# Altium PCB openmv-ae3.PcbDoc (part 4 of 7) (continued)
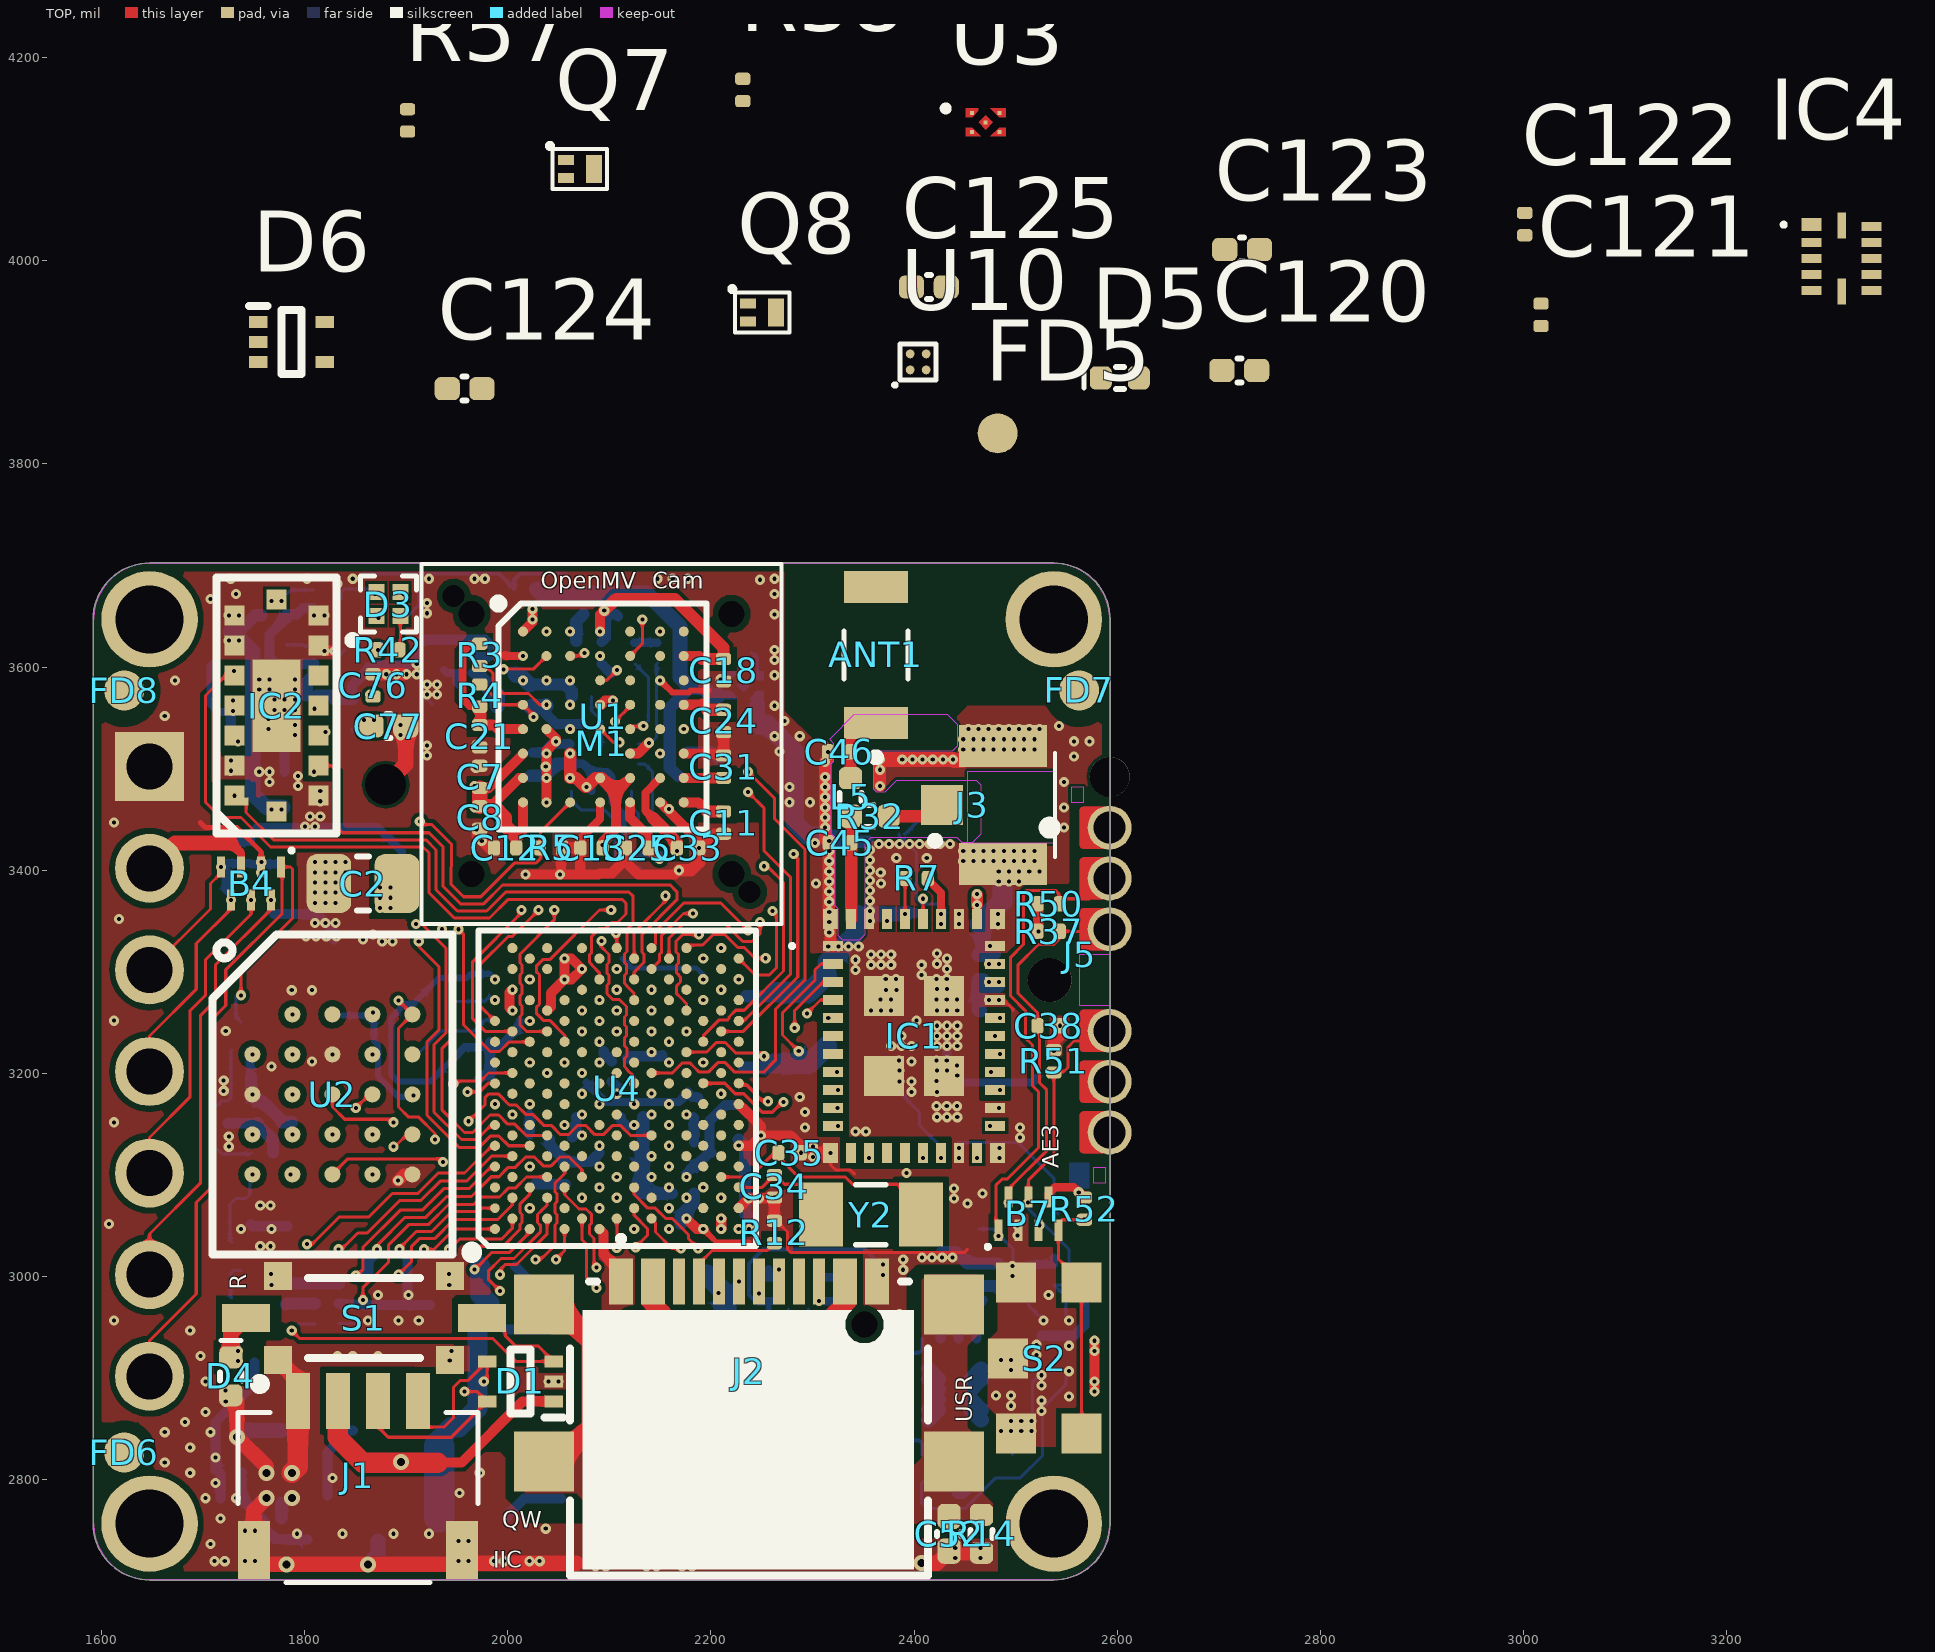
[diagram p0: TOP view]
## Nets (pads, with @x,y where several pads share a name; then routed paths per layer and width w, separated by ;. In a path a pad name is that pad's centre, name@x,y a point inside that pad or via, vN(x,y) a via of type N, cw(c..) or ccw(c..) an arc to the next point about the centre after c; other vN are vias at no path point) (continued)
USB_R: R38.1 U4.K14 | length 28.1
  ART2 w8: v1(2141.42,3180.3) v3(2141.42,3193.89)
  ART7 w10: v2(2129.44,3199.91) 2135.4,3199.91 v3(2141.42,3193.89)
USB_VBUS: C53.2 FL1.1 J2.A4 J2.A9 L7.1 | length 369.8
  TOP w18: J2.A4@2142.95,2995.37 2142.95,2973.08 2151.45,2964.58 2151.45,2946.91 ; 2322.44,2946.91 2322.44,2963.91 2331.93,2973.4 J2.A9@2331.93,2995.37
  ART2 w3: v1(2132.44,2880.91) 2129.04,2870.71 v3(2130.44,2867.91) v3(2146.44,2867.91) ; v3(2162.44,2867.91) v1(2162.44,2880.91)
  ART4 w3: v3(2146.44,2867.91) v3(2162.44,2867.91)
  ART7 w10: v3(2162.44,2867.91) 2162.44,2870.91 2207.54,2916.01 2207.54,2941.01 2238.44,2971.91 2238.44,2993.82 2244.53,2999.91 v2(2249.53,2999.91)
  BOTTOM w3: v2@2247.53,2999.91 2246.53,2998.91 2246.53,2997.07 2253.75,2997.07 FL1.1@2256.75,3000.07
  BOTTOM w8: v2@2247.53,2999.91 v2(2249.53,2999.91) ; v2@2248.53,2999.07 FL1.1@2256.75,3007.29 FL1.1@2256.75,3000.07
  other v1: 2142.44,2880.91 2152.44,2880.91 2137.44,2889.91 2147.44,2889.91 2157.44,2889.91
  other v2: 2117.44,2864.91 2117.44,2874.91 2124.44,2881.91 2134.44,2881.91 2144.44,2881.91 2154.44,2881.91
USR_SW: B7.4 Q6.2 R52.2 R53.2 S2.1 S2.5 | length 1680.2
  TOP w3: S2.1@2564.92,2845.41 S2.5@2564.92,2994.41 2541.97,3017.36 2541.97,3052.42 2545.55,3056 v1(2567,3056)
  ART2 w3: v3(2553.44,3066.91) 2556.09,3066.91 v1(2567,3056)
  ART4 w3: v3(1722.44,3076.91) 1737.44,3061.91 1737.44,2981.91 1872.82,2846.53 2043.22,2846.53 2103.08,2786.67 2147.68,2786.67 2169.82,2764.53 2411.08,2764.53 2430.46,2783.91 2459.24,2783.91 2532.44,2857.11 2532.44,3045.91 v3(2553.44,3066.91)
  ART7 w3: v3(1722.44,3076.91) 1722.44,3083.99 v2(1728.58,3090.13) ; v2(2541.44,3061.91) 2548.44,3061.91 v3(2553.44,3066.91)
  BOTTOM w3: R53.2@2442.44,3131.91 2502.44,3131.91 2537.44,3096.91 2537.44,3065.91 v2(2541.44,3061.91)
USR_SW_INT: C119.1 R53.1 U4.M18 | length 300.7
  TOP w3: U4.M18@2175.83,3220.93 2195.61,3220.93 2205.11,3230.43 2214.02,3230.43 2224.2,3220.25 2249.1,3220.25 v1(2252.44,3216.91)
  ART2 w3: v1(2252.44,3216.91) 2267.44,3216.91 2282.98,3201.37 v3(2298.06,3201.37)
  ART7 w3: v3(2298.06,3201.37) 2322.98,3201.37 2336.25,3188.1 2382.25,3188.1 v2(2388.44,3181.91)
  BOTTOM w3: v2(2388.44,3181.91) 2388.44,3178.78 C119.1@2405.31,3161.91 2405.31,3149.04 R53.1@2422.44,3131.91
VBUS: B2.1 B2.6 C64.1 L7.2 U4.H14 | length 404.7
  ART2 w10: v3(2106.32,3201.91) 2106.32,3200.91 2107.32,3199.91 v1(2107.32,3179.98)
  ART4 w10: v3(2106.32,3201.91) 2106.32,3173.03 2122.44,3156.91 2122.44,3142.37 2171.56,3093.25 2171.56,3058.49 2163.28,3050.21 2163.28,3036.07 2227.44,2971.91 2227.44,2911.91 v3(2222.44,2906.91)
  ART7 w10: v2(2202.44,2886.91) v2(2209.94,2894.41) v3(2222.44,2906.91)
VCC_1.2V_CAM: C13.2 C14.2 C15.2 C16.2 C17.2 C18.2 C19.2 C71.1 C73.2 L10.2 R24.2 U1.A4 U1.B7 U1.C2 U1.F3 U1.G3 U1.G4 U1.G5 | length 882
  TOP w10: v1(2090.97,3634.92) 2090.97,3651.44 v1(2094.97,3655.44) ; C13.2@2093.44,3421.91 v1(2093.44,3424.91) 2093.44,3427.91 2106.44,3440.91 2106.44,3476.76 U1.G5@2120.5,3490.82 ; U1.B7@2173.25,3610.9 2188.45,3610.9 2191.44,3607.91
  TOP w12: v1(2061.44,3514.84) v1(2061.44,3490.82) 2067.53,3490.82 2076.44,3481.91 v1(2077.44,3481.91) 2086.35,3490.82 U1.G4@2090.97,3490.82 2092.38,3490.82 2106.44,3476.76 ; v1(2094.97,3655.44) 2106.44,3666.91 2164.44,3666.91 2212.44,3618.91 C18.2@2212.44,3607.91 2191.44,3607.91
  ART2 w8: v3(2054.45,3454.92) 2054.45,3455.92 2077.44,3478.91 v1(2077.44,3481.91)
  ART2 w10: v1(2038.21,3586.88) 2038.21,3593.36 2050.68,3605.83 v3(2050.68,3610.15) ; v1(2090.97,3634.92) 2090.97,3641.38 v3(2085.44,3646.91) 2093.97,3655.44 v1(2094.97,3655.44) ; v1(2093.44,3424.91) 2093.44,3433.91 2096.44,3436.91 v3(2096.44,3437.91)
  ART2 w14: v1(2061.44,3490.82) v1(2061.44,3514.84)
  ART2 w15: v3(2054.45,3438.92) v3(2054.45,3454.92)
  ART4 w15: v3(2050.68,3610.15) 2085.44,3644.91 v3(2085.44,3646.91)
  ART7 w10: v3(2050.68,3610.15) 2066.44,3625.91 v2(2067.44,3625.91) 2067.44,3628.91 v3(2085.44,3646.91) 2083.44,3648.91 v2(2072.44,3648.91)
  BOTTOM w8: R24.2@1722.44,3426.91 1723.44,3427.91 C73.2@1747.44,3427.91 1747.44,3436.91 1753.1,3442.57 1871.78,3442.57 1895.9,3418.45 C71.1@1895.9,3401.91
  BOTTOM w12: v2(2067.44,3625.91) 2067.44,3644.91 C19.2@2074.44,3651.91
  other v2: 2041.44,3428.91 2068.44,3431.91 2083.44,3431.91 2041.44,3438.91 2068.44,3441.91 2083.44,3441.91
VCC_1.8V: B5.3 B5.6 B6.3 B6.6 B7.5 C1.2 C2.2 C3.1 C9.2 C39.1 C40.1 C44.1 C49.2 C50.1 C51.1 C62.1 C66.1 C67.2 C76.1 C77.2 C78.2 C84.2 C104.2 C105.1 C106.2 C107.2 C108.2 C121.2 C124.2 D4.1 IC1.36 IC3.5 IC4.1 IC4.12 J5.1 J6.1 L9.2 Q1.1 Q2.1 Q3.1 Q4.1 R1.2 R2.2 R6.2 R7.1 R8.2 R9.2 R10.2 R11.2 R13.1 R22.1 R33.2 R34.2 R35.2 R36.2 R37.2 R40.2 R44.2 R45.2 R46.2 R49.2 R50.2 R52.1 R57.2 R58.2 S1.1 U2.B4 U2.D1 U2.E4 U4.C13 U4.F4 U4.P24 U7.2 U7.3 U7.5 U7.8 U9.A2 U10.A2 | length 3224.8
  TOP w8: R7.1@2412.44,3391.91 2426.51,3377.84 v1(2426.51,3357.07) IC1.36@2426.51,3352.07 v1(2426.51,3347.07) ; B7.5@2532.12,3078.25 2532.12,3081.59 2538.53,3088 2557.35,3088 R52.1@2567.44,3077.91
  TOP w10: v1(2522.44,3339.91) R50.2@2522.44,3366.91
  TOP w15: D4.1@1727.44,2920.61 1727.44,2944.55 S1.1@1742.3,2959.41
  ART2 w10: v1(1734.44,2916.91) 1742.44,2916.91 v3(1747.44,2921.91) 1742.44,2926.91 v1(1734.44,2926.91) ; v1(1858.44,3547.91) 1858.44,3554.91 v3(1863.45,3559.92) ; v1(1864.44,3572.91) 1863.45,3571.92 v3(1863.45,3559.92) ; v3(1866.81,3082.54) v1(1866.81,3100.67) ; v1(1866.81,3218.78) 1879.57,3218.78 v3(1880.57,3217.78) ; v1(1868.44,3547.91) 1868.44,3554.93 v3(1863.45,3559.92) ; v1(2021.69,3169.74) 2022.61,3169.74 v3(2031.44,3160.91) ; v3(2061.44,3071.91) 2067.15,3077.62 v1(2073.07,3077.62) ; v1(2210.08,3282.34) 2218.44,3273.98 v3(2218.44,3270.91) ; v1(2426.51,3347.07) 2417.66,3347.07 v3(2413.51,3351.22) 2416.51,3351.22 2422.36,3357.07 v1(2426.51,3357.07) ; v1(2522.44,3339.91) 2534.44,3351.91 v3(2537.44,3351.91) ; v3(2552.44,3091.91) 2562,3082.35 v1@2562,3083.27
  ART2 w14: v1(1748.7,3140.04) 1748.7,3147.17 1762.44,3160.91 v3(1762.44,3161.91)
  ART2 w15: v3(1980.44,3605.93) 1981.53,3606.81 1981.67,3608.1 1988.91,3614.28 v3(1996.94,3615.41)
  ART4 w12: v3(2413.51,3351.22) 2453.13,3351.22 2474.56,3329.79 2474.56,3329.03 ; v3(2537.44,3351.91) 2532.44,3346.91 2492.44,3346.91 2474.56,3329.03 ; v3(2552.44,3091.91) 2547.44,3096.91 2547.44,3191.91 v3(2537.44,3201.91) 2517.44,3221.91 2517.44,3256.91 2497.44,3276.91 2497.44,3287.63 2474.56,3310.51 2474.56,3329.03
  ART4 w15: v3(2537.44,3351.91) 2557.44,3371.91 2557.44,3421.91 2577.44,3441.91 J5.1@2592.44,3441.91
  ART7 w5: v2(2062.44,3571.91) 2068.82,3565.53 2106.4,3565.53 2114.82,3573.95 2114.82,3585.87 2113.94,3586.75 2113.94,3613.41 v2(2124.44,3623.91)
  ART7 w10: v3(1747.44,2921.91) 1755.44,2921.91 ; v2(1760.44,2916.91) 1755.44,2921.91 ; v2(1760.44,2926.91) 1755.44,2921.91 ; v2(1868.44,3231.91) 1868.44,3229.91 v3(1880.57,3217.78) ; v3(1996.94,3615.41) v2(2007.44,3604.91) v2(2007.44,3592.91) ; v3(2031.44,3160.91) 2035.44,3156.91 v2(2044.44,3156.91) ; v2(2522.44,3196.91) 2532.44,3196.91 v3(2537.44,3201.91) ; v3(2552.44,3091.91) 2570.32,3074.03 2570.32,3051.79 v2(2537.44,3018.91) v2(2565.44,2990.91)
  ART7 w12: v2(1752.44,3172.91) 1752.44,3171.91 v3(1762.44,3161.91) ; v2(1801.44,3571.91) v2(1812.44,3571.91) 1815.44,3574.91 1848.46,3574.91 v3(1863.45,3559.92) ; v2(2007.44,3592.91) 2007.44,3505.91 v2(2020.44,3492.91) ; v2(2057.44,3090.91) 2057.44,3075.91 v3(2061.44,3071.91) ; v2(2401.44,3357.91) v2@2402.44,3356.91
  ART7 w15: v3(2218.44,3270.91) 2223.44,3275.91 v2(2234.44,3275.91) v2(2245.44,3275.91) ; v2(2390.44,3356.91) 2402.44,3356.91 2408.13,3351.22 v3(2413.51,3351.22)
  BOTTOM w6: R10.2@1837.44,3256.91 1867.44,3256.91 1868.44,3255.91 v2(1868.44,3231.91) 1872.44,3227.91 1872.44,3196.91 1892.44,3176.91 R8.2@1902.44,3176.91 ; U7.2@2102.28,3477.91 2102.28,3467.06 2113.94,3455.4 2113.94,3422.91 2120.94,3415.91 R40.2@2128.44,3415.91 R33.2@2153.44,3415.91
  BOTTOM w8: Q4.1@1746.3,3223.13 1746.3,3198.05 R36.2@1747.44,3196.91 ; C9.2@1997.56,3611.78 C9.2@2000.44,3611.78 ; U7.5@2055.94,3504.72 2074.62,3504.73 2082.6,3496.75 ; U7.3@2082.6,3477.91 2082.6,3496.75 ; U7.2@2102.28,3477.91 2102.28,3492.07 2097.6,3496.75 2082.6,3496.75 ; v2(2124.44,3623.91) R2.2@2147.44,3623.91 ; R6.2@2432.44,3231.91 2432.44,3201.91 2443.44,3190.91 2516.44,3190.91 v2(2522.44,3196.91) ; R34.2@2512.44,3011.91 2537.44,3011.91 v2(2537.44,3018.91)
  BOTTOM w10: R22.1@1717.44,2781.91 1717.44,2805.91 C67.2@1716.44,2806.91 1712.44,2810.91 1712.44,2856.91 1750.9,2895.37 C66.1@1750.9,2915.37 ; Q2.1@1808.65,3603.04 1783.57,3603.04 1782.44,3601.91 1773.44,3601.91 1765.44,3609.91 1765.44,3631.91 1782.44,3648.91 1782.44,3651.91 1792.44,3651.91 1798.58,3658.05 Q3.1@1808.66,3658.05 ; IC3.5@1847.01,3568.56 1847.01,3581.48 1867.44,3601.91 1902.44,3601.91 1911.3,3610.77 Q1.1@1911.3,3623.13 1915.08,3626.91 1967.44,3626.91 ; 1982.44,3611.91 1980.31,3609.78 U9.A2@1965.31,3609.78 1965.31,3624.78 1967.44,3626.91 ; 1982.44,3621.91 1977.44,3626.91 1967.44,3626.91 ; R49.2@2027.44,3091.91 2028.44,3090.91 v2(2057.44,3090.91) ; C44.1@2392.44,3357.91 v2(2401.44,3357.91) ; B5.3@2525.63,2941.75 2557.28,2941.75 2567.44,2951.91 C62.1@2567.44,2990.91
  BOTTOM w12: R36.2@1747.44,3196.91 1747.44,3177.91 v2(1752.44,3172.91) 1758.44,3172.91 1777.44,3153.91 1777.44,3151.91 R11.2@1787.44,3151.91 ; C84.2@1781.86,2994.49 1783.02,2993.33 1810.05,2993.33 B6.6@1833.67,2993.33 ; v2(1801.44,3571.91) 1802.44,3572.91 1802.44,3585.41 1808.44,3591.41 1808.44,3591.91 1808.66,3592.13 Q2.1@1808.66,3603.05 ; v2(1812.44,3571.91) 1825.85,3571.91 1829.2,3568.56 IC3.5@1847.01,3568.56 ; C50.1@2022.44,3492.91 2036.44,3492.91 2048.26,3504.73 U7.5@2055.94,3504.72 ; C51.1@2022.44,3582.91 2056.43,3582.91 2062.91,3576.43 U7.8@2062.91,3570.91 ; v2(2234.44,3275.91) v2(2245.44,3275.91) 2258.57,3275.91 C105.1@2262.44,3279.78
  BOTTOM w15: v2(2007.44,3592.91) 2008.44,3591.91 2012.44,3591.91 2021.44,3582.91 C51.1@2022.44,3582.91 ; C49.2@2344.57,3356.91 v2(2390.44,3356.91) 2391.44,3356.91 C44.1@2392.44,3357.91
  BOTTOM w18: C104.2@2313.98,3296.91 2313.98,3309.45 2341.44,3336.91 2341.44,3353.78 C49.2@2344.57,3356.91
  BOTTOM w20: C105.1@2262.44,3279.78 2296.85,3279.78 C104.2@2313.98,3296.91
  other v1: 2562,3083 1874.44,3362.91 1884.44,3362.91 1874.44,3372.91 1884.44,3372.91 1874.44,3382.91 1884.44,3382.91
  other v2: 1781.07,3076.6 1795.07,3078.6 1780.05,3090.71 1795.05,3090.71 1780.32,3103.34 1997.44,3592.91 1993.44,3602.91
  other v3: 1832.45,3081.92 1832.45,3111.92 1857.45,3361.92 1857.45,3377.92
VCC_1.8V_CAM: C10.2 C21.2 C23.2 C24.2 C25.2 Q7.1 Q8.1 R3.2 R4.2 U1.D4 U1.D7 U1.E1 U1.H5 U9.A1 | length 1502.2
  TOP w8: R4.2@1972.44,3561.91 1962.44,3561.91 1955.44,3568.91 1955.44,3614.91 1962.44,3621.91 R3.2@1972.44,3621.91
  TOP w10: C21.2@1972.44,3542.91 1973.44,3543.91 1973.44,3560.91 R4.2@1972.44,3561.91 ; v1(1973.44,3542.91) 1986.44,3542.91 1990.5,3538.85 U1.E1@2014.99,3538.85 ; U1.D4@2090.97,3562.87 2091.97,3562.87 2095.97,3566.87 v1(2103.44,3566.87) ; U1.H5@2120.5,3466.8 2120.5,3451.35 2138.44,3433.41 C25.2@2138.44,3421.91 v1(2149.44,3410.91) ; U1.D7@2173.25,3562.87 2191.48,3562.87
  TOP w12: 2191.48,3562.87 2196.44,3557.91 v1(2212.44,3557.91)
  ART2 w10: v1(1729.44,3566.91) v1(1729.44,3556.91) 1738.45,3556.91 v3(1742.45,3560.92) ; v1(1973.44,3542.91) 1976.44,3545.91 1976.44,3555.91 v3(1975.44,3556.91) ; v3(2100.44,3579.91) 2103.44,3576.91 v1(2103.44,3566.87) ; v1(2149.44,3410.91) 2149.44,3430.78 2185.56,3466.9 2185.56,3530.9 2201.44,3546.78 v3(2201.44,3549.91)
  ART2 w12: v3(2201.44,3549.91) 2204.44,3549.91 v1(2212.44,3557.91)
  ART4 w15: v3(1742.45,3560.92) 1801.04,3560.92 1819.73,3579.61 1869.76,3579.61 1877.44,3587.29 1902.07,3587.29 1932.45,3556.91 v3(1975.44,3556.91) 1975.44,3562.33 2062.44,3649.33 2062.44,3653.33 2077.44,3668.33 2111.18,3668.33 2118.77,3660.74 2143.61,3660.74 2159.94,3644.41 2159.94,3639.41 ; v3(2100.44,3579.91) 2159.94,3639.41 ; v3(2201.44,3549.91) 2201.44,3562.91 2189.44,3574.91 2189.44,3614.91 2164.94,3639.41 2159.94,3639.41
  ART7 w10: v2(1727.44,3555.91) 1737.44,3555.91 v3(1742.45,3560.92) 1750.46,3552.91 v2(1765.44,3552.91) ; v2(1988.44,3552.91) 1979.44,3552.91 v3(1975.44,3556.91) 1981.44,3562.91 v2(1988.44,3562.91) ; v3(2100.44,3579.91) 2101.44,3580.91 v2(2101.44,3593.91)
  BOTTOM w8: 1709.44,3602.91 1707.44,3600.91 1707.44,3563.91 1715.44,3555.91 v2(1727.44,3555.91) ; v2(1765.44,3552.91) 1774.44,3552.91 1780.44,3546.91
  BOTTOM w10: 1727.44,3531.91 v2(1727.44,3555.91) ; 1780.44,3496.91 1780.44,3546.91 ; U9.A1@1965.31,3594.04 1968.31,3594.04 1972.94,3589.41 ; C23.2@2092.44,3602.91 v2(2101.44,3593.91)
  BOTTOM w15: 1972.94,3589.41 1989.57,3572.78 C10.2@1989.57,3561.91
VCC_1.8V_TOF: C79.1 C125.2 IC2.A4 R26.2 R27.2 R28.2 R29.2 R30.2 U10.A1
VCC_2.8V_CAM: C26.2 C27.2 C28.2 C72.2 U1.A1 U1.E3 U1.F6 U8.1 | length 1278.8
  TOP w10: U1.A1@2014.99,3634.92 2024.44,3644.37 v1(2024.44,3646.91) v1(2024.44,3656.91)
  ART2 w10: v3(1758.94,3470.41) 1758.94,3468.41 v1(1767.44,3459.91) v1(1777.44,3459.91) ; v3(1767.45,3651.92) 1768.6,3651.92 1777.44,3660.76 v1(1777.44,3664.91) v1(1767.44,3664.91) v3(1767.45,3651.92) ; v1(2024.44,3646.91) 2026.44,3646.91 2032.44,3652.91 v3(2037.44,3652.91) 2033.44,3656.91 v1(2024.44,3656.91) ; v3(2051.91,3548.38) v1(2061.44,3538.85) ; v1(2150.03,3514.84) v3(2159.2,3505.67)
  ART4 w15: v3(1767.45,3651.92) 1822.44,3651.92 1845.92,3675.4 1904.25,3675.4 1953.58,3626.07 1976.59,3626.07 2003.43,3652.91 v3(2037.44,3652.91)
  ART7 w10: v3(2037.44,3652.91) 2042.44,3647.91 2042.44,3631.91 2027.44,3616.91 2027.44,3579.91 2022.44,3574.91 v2(2022.44,3540.91) 2023.44,3540.91 2026.33,3543.8 2047.33,3543.8 v3(2051.91,3548.38) ; v3(2159.2,3505.67) 2159.2,3503.15 v2(2167.44,3494.91)
  ART7 w15: v2(1744.94,3644.41) 1752.45,3651.92 v3(1767.45,3651.92) ; v3(1758.94,3470.41) 1758.94,3468.41 1765.44,3461.91 v2(1767.44,3461.91) v2(1778.44,3461.91)
  BOTTOM w8: 2207.44,3571.92 2207.98,3572.46 U8.1@2219.05,3572.46
  BOTTOM w12: 1729.44,3634.78 1735.31,3634.78 v2(1744.94,3644.41) 1751.44,3650.91 v2(1754.44,3650.91) v2@1757.44,3650.91 ; C27.2@2167.44,3492.91 2159.44,3500.91 2159.44,3559.65 2179.57,3579.78
  BOTTOM w15: 1727.44,3634.78 1729.44,3634.78 1748.94,3615.28 1748.94,3475.41 1762.44,3461.91 v2(1767.44,3461.91) v2(1778.44,3461.91) ; C28.2@2028.44,3676.91 v2(2032.44,3672.91) v2(2042.44,3672.91) v2(2052.44,3672.91) 2136.44,3672.91 2169.44,3639.91 2169.44,3589.91 2179.57,3579.78 C72.2@2192.44,3579.78 2200.3,3571.92 2207.44,3571.92
VCC_2.8V_TOF: C80.1 C81.1 C82.2 C120.2 IC2.B1 IC2.B7 U3.1
VCC_3.3V: B1.6 B3.1 B3.6 B4.3 B6.7 C4.2 C41.1 C43.1 C48.2 C54.1 C55.2 C68.2 C70.2 C74.2 C75.2 C85.2 C88.2 C89.1 C90.2 C91.2 C92.1 C93.2 C94.2 C95.1 C96.2 C102.1 C103.2 C110.1 C111.2 C122.2 C123.2 D1.1 D2.3 D2.6 D3.4 IC1.30 IC4.11 J1.2 J4.2 J6.15 R54.2 U3.4 U4.K12 U4.L5 U4.P2 U4.P14 U4.P28 U5.9 U8.4 Y1.4 | length 2070.8
  TOP w8: 1727.44,3426.91 1737.6,3416.75 B4.3@1737.6,3403.25
  TOP w10: 1931.44,2816.91 1954.44,2816.91 2014.76,2877.23 D1.1@2045.12,2877.22 ; v1(2210.08,3046.91) v1(2210.08,3057.15)
  TOP w15: J4.2@1647.44,3401.91 1672.44,3426.91 1727.44,3426.91
  TOP w20: J1.2@1832.76,2877.71 1832.76,2841.59 1857.44,2816.91 1931.44,2816.91
  ART2 w10: J4.2@1647.44,3401.91 1692.44,3446.91 1692.44,3593.78 1710.57,3611.91 1747.44,3611.91 1769.44,3633.91 1822.57,3633.91 1852.45,3663.79 1859.32,3663.79 1867.44,3671.91 v1(1869.44,3671.91) ; v3(2141.57,3146.91) v1(2141.57,3159.51) ; v3(2147.44,3080.91) 2151.76,3080.91 v1(2158.7,3087.85) ; v3(2210.08,3033.91) v1(2210.08,3046.91) v1(2210.08,3057.15) ; v1(2210.08,3179.98) 2218.8,3171.26 2218.8,3169.26 v3(2219.8,3168.26) ; v1(2210.08,3323.32) 2219.03,3323.32 2222.03,3320.32 v3(2223.03,3320.32) ; v3(2460.44,3294.91) 2461.44,3293.91 2469.81,3293.91 v1(2473.66,3290.06) v1(2483.66,3290.06)
  ART2 w15: v3(2210.08,3017.91) v3(2210.08,3033.91)
  ART4 w15: J4.2@1647.44,3401.91 1647.44,3381.91 1712.44,3316.91 1728.44,3316.91 v3(1757.44,3287.91)
  ART7 w6: v2(1947.66,2954.4) 1969.01,2954.4 v2(1998.97,2924.43)
  ART7 w10: v2(1752.44,3309.91) v2(1752.44,3299.91) 1752.44,3292.91 v3(1757.44,3287.91) 1762.44,3292.91 v2(1762.44,3299.91) v2(1762.44,3309.91) ; v2(2133.44,3156.91) 2141.57,3148.78 v3(2141.57,3146.91) 2141.57,3138.04 v2(2137.44,3133.91) ; v2(2200.44,3317.91) v2(2210.44,3317.91) 2220.62,3317.91 v3(2223.03,3320.32)
  ART7 w12: v2(2232.44,3205.91) v2(2242.44,3205.91) ; v3(2460.44,3294.91) 2463.44,3294.91 v2(2471.44,3286.91) v2(2482.44,3286.91)
  BOTTOM w8: 2232.44,2906.91 U5.9@2254.03,2906.91 ; 2245.83,3563.52 U8.4@2245.83,3572.46
  BOTTOM w10: B6.7@1833.67,2973.65 1835.64,2973.65 1836.55,2972.74 1841.29,2972.74 1841.56,2972.47 1855.94,2972.47 1856.16,2972.26 1860.83,2972.26 C85.2@1861.83,2971.26 1862.77,2972.2 1902.17,2972.2 ; C70.2@1901.27,3021.22 1901.27,2973.11 1902.17,2972.2 ; 1903.07,2971.31 1902.17,2972.2 ; D2.6@1923.29,2972.2 1902.17,2972.2
  BOTTOM w12: C110.1@2129.57,3126.91 2133.44,3130.78 v2(2133.44,3156.91) ; C95.1@2132.44,3084.04 2134.57,3081.91 v2(2161.44,3081.91) ; C55.2@2218.44,2941.91 2218.44,2920.91 2232.44,2906.91 ; v2(2232.44,3205.91) v2(2242.44,3205.91) 2258.57,3205.91 C92.1@2262.44,3209.78 ; C41.1@2322.44,3430.91 2327.44,3430.91 2330.38,3427.97 Y1.4@2354.72,3427.97
  BOTTOM w14: C48.2@2464.57,3261.91 2463.44,3263.04 C43.1@2463.44,3291.91 2467.44,3291.91 2471.44,3287.91 v2(2471.44,3286.91)
  BOTTOM w15: C110.1@2129.57,3126.91 2132.44,3124.04 2132.44,3093.91 v2(2134.44,3091.91) 2132.44,3089.91 C95.1@2132.44,3084.04 ; C74.2@2245.44,3544.04 2245.44,3547.04 2245.83,3547.43 2245.83,3563.52 ; v2(2471.44,3286.91) v2(2482.44,3286.91)
  BOTTOM w18: C74.2@2245.44,3544.04 2255.31,3544.04 2282.44,3516.91 2282.44,3446.92 2295.32,3434.04 2312.44,3434.04 2315.57,3430.91 C41.1@2322.44,3430.91
  BOTTOM w20: C88.2@2195.9,3001.91 2214.57,2983.24 C55.2@2214.57,2951.91 2218.44,2948.04 C55.2@2218.44,2941.91 ; C92.1@2262.44,3209.78 2296.85,3209.78 C91.2@2313.98,3226.91
  other v2: 1877.44,2766.91 1887.44,2766.91 1877.44,2776.91 1887.44,2776.91 2187.44,3016.91 2197.44,3016.91 2187.44,3026.91 2197.44,3026.91 2233.44,3032.91 2134.44,3081.91 2258.44,3209.91 2268.44,3209.91 2057.44,3326.91 2069.44,3326.91 2064.44,3335.91 2072.44,3342.91
  other v3: 1862.45,2776.92 1902.44,2776.91 2267.44,3196.91 2026.45,3340.98 2042.44,3340.98
  other v4: 2202.44,3046.91 2212.44,3046.91
  other v5: 1894.98,2817.4
VCC_3.3V_INT: B5.7 C56.1 C57.1 C58.1 C59.2 C63.1 C65.2 C69.2 C83.1 D2.1 L8.2 R20.2 U6.2 U6.3 U6.4 U6.9 | length 521.6
  ART7 w12: v2(2482.44,2990.91) v2@2485.44,2987.91
  BOTTOM w10: U6.2@2425.87,2939 2425.87,2976.33 2424.31,2977.89 v2(2424.31,2982.04) 2424.31,2986.65 C59.2@2427.44,2989.78 ; U6.3@2443.58,2939 2443.58,2973.05 2447.44,2976.91 ; C56.1@2455.87,2989.34 C56.1@2457.44,2990.91 ; 2461.3,2800.77 U6.9@2461.3,2824.82 ; U6.4@2461.3,2939 2461.3,2970.77 2467.44,2976.91 ; C58.1@2482.44,2986.91 v2(2482.44,2990.91)
  BOTTOM w12: C59.2@2427.44,2989.78 2428.57,2990.91 C56.1@2457.44,2990.91 v2(2482.44,2990.91) ; v2(2443.44,2786.91) 2447.44,2786.91 2461.3,2800.77
  BOTTOM w20: C63.1@1932.72,2832.91 1932.72,2840 1944.57,2851.85 1951.66,2851.85 1970.15,2870.34 1970.15,2961.75 1981.87,2973.47 1972.81,2982.52 C69.2@1972.81,3009.91
  BOTTOM w30: L8.2@1932.52,2762.96 1932.62,2763.06 1932.62,2832.81 C63.1@1932.72,2832.91
  other v2: 2552.44,2872.91 2549.25,2922.07 2434.31,2982.04 2424.31,2992.04 2434.31,2992.04
  other v3: 2437.44,2754.91 2453.44,2754.91
VDD_CORE: C86.1 C87.1 C97.2 C98.2 C99.2 C100.2 C101.2 C109.1 L1.2 U4.A13 U4.C21 U4.C25 U4.G3 U4.H24 U4.M6 U4.N17 | length 376.9
  ART2 w10: v3(1987.44,3156.91) v1(1987.44,3169.74) ; v1(2021.69,3251.63) 2027.16,3251.63 2032.44,3256.91 v3(2033.44,3256.91) ; v1(2021.69,3292.58) 2028.36,3285.91 v3(2032.44,3285.91) ; v3(2078.44,3060.91) 2083.73,3060.91 v1(2090.2,3067.38) ; v1(2107.32,3282.34) 2112.14,3282.34 v3(2118.96,3289.16) ; v1(2175.83,3098.09) 2180.83,3098.09 v3(2187.65,3104.91) ; v1(2192.46,3210.75) 2202.28,3210.75 v3(2206.44,3214.91)
  ART7 w10: v2(1985.44,3172.91) 1985.44,3158.91 v3(1987.44,3156.91) 1994.44,3163.91 v2(1994.44,3167.91) ; v2(2032.44,3243.91) 2033.44,3244.91 v3(2033.44,3256.91) 2035.44,3256.91 v2(2043.44,3248.91) ; v2(2032.44,3272.91) v3(2032.44,3285.91) 2036.44,3285.91 v2(2043.44,3278.91) ; v2(2106.44,3291.91) 2116.21,3291.91 v3(2118.96,3289.16) ; v3(2206.44,3214.91) v2(2206.44,3234.91) v2(2206.44,3248.91) ; v2(2175.44,3100.91) 2179.44,3104.91 v3(2187.65,3104.91) 2183.65,3100.91 v2(2175.44,3100.91)
  ART7 w12: v3(2078.44,3060.91) 2082.44,3064.91 v2(2082.44,3075.91)
  BOTTOM w10: v2(2175.44,3100.91) 2180.44,3105.91 C98.2@2180.44,3106.91 2183.44,3106.91 2198.44,3121.91 ; 2200.44,3121.91 2198.44,3121.91 ; C87.1@2227.44,3169.04 2214.56,3169.04 2198.44,3152.92 2198.44,3121.91
VDDAY: C5.2 C6.2 C7.2 C8.2 C11.2 C12.2 U1.F1 U1.G1 U1.H1 U1.H7 | length 745.3
  TOP w10: v1(1967.44,3461.91) 1968.44,3462.91 C8.2@1972.44,3462.91 ; v1(1967.44,3482.91) 1969.44,3480.91 C7.2@1972.44,3480.91 1981.44,3480.91 2014.99,3514.46 U1.F1@2014.99,3514.84 ; 1986.44,3462.91 1986.44,3465.91 2011.35,3490.82 U1.G1@2014.99,3490.82 ; C12.2@2008.44,3421.91 2008.44,3432.91 2014.99,3439.46 U1.H1@2014.99,3466.8 ; U1.H7@2173.25,3466.8 2187.55,3466.8 2192.44,3461.91
  TOP w12: 2192.44,3461.91 2196.44,3457.91 v1(2211.44,3457.91)
  TOP w14: C8.2@1972.44,3462.91 1986.44,3462.91 1997.44,3451.91 1997.44,3443.91 2008.44,3432.91
  TOP w15: C8.2@1972.44,3462.91 C7.2@1972.44,3480.91
  ART2 w10: v1(1967.44,3461.91) 1973.44,3467.91 v3@1973.44,3471.91 ; v1(1967.44,3482.91) 1973.44,3476.91 v3@1973.44,3471.91 ; v3(1975.44,3471.91) v3@1973.44,3471.91
  ART2 w12: v1(2211.44,3457.91) v3(2227.44,3457.91)
  ART4 w15: v3(1975.44,3471.91) 1975.44,3448.91 1997.44,3426.91 1997.44,3401.51 2023.78,3375.17 2113.28,3375.17 2154.06,3415.95 2154.06,3439.53 2172.44,3457.91 v3(2227.44,3457.91)
  ART7 w10: v2(1968.44,3458.91) 1968.44,3463.91 1975.44,3470.91 v3(1975.44,3471.91) 1976.44,3470.91 1976.44,3463.91 1978.44,3461.91 v2(1978.44,3458.91) ; v2(2220.44,3443.91) 2220.44,3450.91 v3(2227.44,3457.91) 2230.44,3454.91 v2(2230.44,3443.91)
VIN_LDO: C42.1 C47.2 IC1.31 L6.2 | length 172.3
  ART2 w10: v1(2473.66,3307.78) v1(2483.66,3307.78) 2492.44,3316.56 v3(2492.44,3317.91)
  ART7 w12: v2(2478.44,3317.91) v3(2492.44,3317.91)
  BOTTOM w10: C42.1@2464.44,3317.91 v2(2478.44,3317.91)
  BOTTOM w14: C47.2@2464.57,3346.91 2467.44,3344.04 v2(2467.44,3321.91) 2467.44,3320.91 2464.44,3317.91 C42.1@2463.44,3316.91 2477.44,3316.91 v2(2478.44,3317.91)
  BOTTOM w20: C47.2@2464.57,3346.91 2486.94,3369.28 L6.2@2486.94,3409.91
VNEG: C33.2 C36.2 U1.G6 | length 117.4
  TOP w8: 2142.44,3451.91 2135.44,3458.91 2135.44,3476.23 U1.G6@2150.03,3490.82
  TOP w12: 2142.44,3451.91 2166.44,3427.91 C33.2@2166.44,3421.91
  ART2 w12: v1(2166.44,3418.91) 2166.44,3422.91 2173.44,3429.91 v3(2173.44,3430.91)
  ART7 w10: v3(2173.44,3430.91) 2174.44,3431.91 2174.44,3433.91 v2(2182.44,3441.91)
VPOS: C31.2 C32.2 U1.G7 | length 78.2
  TOP w10: U1.G7@2173.25,3490.82 2212.35,3490.82 v1(2212.44,3490.91)
  ART2 w12: v3(2202.44,3481.91) 2211.44,3490.91 v1(2212.44,3490.91)
  ART7 w10: v3(2202.44,3481.91) 2205.44,3478.91 v2(2216.44,3478.91) v2(2226.44,3478.91)
VPOS2: C29.2 C30.2 U1.F5 | length 102.3
  TOP w10: U1.F5@2120.5,3514.84 2128.37,3514.84 v1(2138.94,3525.41)
  ART2 w10: v1(2138.94,3525.41) 2139.94,3525.41 2145.43,3530.9 v3(2157.44,3530.9)
  ART7 w12: v3(2157.44,3530.9) 2162.45,3530.9 v2(2177.44,3515.91)
  BOTTOM w12: v2(2177.44,3515.91) 2201.31,3515.91 C30.2@2207.44,3509.78
VREF_P: C112.2 U4.M4 | length 37.9
  ART2 w10: v1(2175.83,3077.62) 2182.54,3070.91 v3(2187.44,3070.91)
  ART7 w10: v3(2187.44,3070.91) 2202.44,3070.91 v2(2208.44,3076.91)
VREG_AON: R48.2 U4.L11 | length 27.3
  ART2 w10: v1(2158.7,3149.27) 2165.06,3142.91 v3(2169.44,3142.91)
  ART7 w10: v2(2162.44,3153.91) 2169.44,3146.91 v3(2169.44,3142.91)
VREG_AON_INT: C113.2 R48.1 | length 25.4
  BOTTOM w10: R48.1@2182.44,3156.91 2183.44,3155.91 C113.2@2183.44,3131.91
VREG_DIG_1V8: R47.1 U4.J11 | length 38.3
  ART2 w8: v3(2101.44,3154.91) 2118.81,3154.91 v1(2124.45,3149.27)
  ART7 w10: v2(2088.44,3154.91) v3(2101.44,3154.91)
VREG_DIG_1V8_INT: C115.2 R47.2 | length 21.7
  BOTTOM w10: C115.2@2063.44,3136.91 2067.44,3140.91 R47.2@2067.44,3156.91
VREG_LP_1V8: C114.2 U4.N5 | length 28.8
  ART2 w10: v1(2192.46,3087.92) 2198.45,3087.92 v3(2204.44,3093.91)
  ART7 w10: v3(2204.44,3093.91) 2212.44,3101.91 v2(2212.44,3104.91)
VREG_MIPI_0V8: C118.2 U4.L13 | length 28.4
  ART2 w8: v1(2158.7,3169.74) 2158.7,3178.17 v3(2162.44,3181.91)
  ART7 w10: v2(2158.44,3194.91) 2162.44,3190.91 v3(2162.44,3181.91)
VREG_MIPI_1V8: C116.2 C117.2 U4.G13 U4.M12 | length 184.6
  ART2 w8: v1(2090.2,3169.74) v3(2090.2,3182.91) ; v1(2175.83,3159.51) 2184.84,3159.51 v3(2187.44,3156.91)
  ART7 w10: v2(2077.44,3190.91) 2085.44,3182.91 v3(2090.2,3182.91) ; v3(2187.44,3156.91) v2(2187.44,3175.91)
  BOTTOM w8: v2(2077.44,3190.91) 2096.44,3171.91 2168.44,3171.91 C117.2@2177.44,3180.91
  BOTTOM w10: C117.2@2177.44,3180.91 2181.44,3176.91 2186.44,3176.91 v2(2187.44,3175.91)
VSW: L1.1 U4.P4 U4.R1 | length 39.2
  TOP w10: v1(2227.36,3046.97) v1(2237.38,3046.97)
  ART2 w10: v1(2237.38,3046.97) v3(2250.38,3046.97)
  ART4 w15: v3(2250.38,3046.97) 2260.32,3056.91 v3(2262.44,3056.91)
  other v1: 2210.08,3077.62
  other v2: 2267.44,3044.91 2277.44,3044.91 2275.44,3056.91 2285.44,3056.91 2275.44,3066.91 2285.44,3066.91